# Altium PCB CU-ON-OFF-V2-08-11-18.PcbDoc (part 10 of 14) (continued)
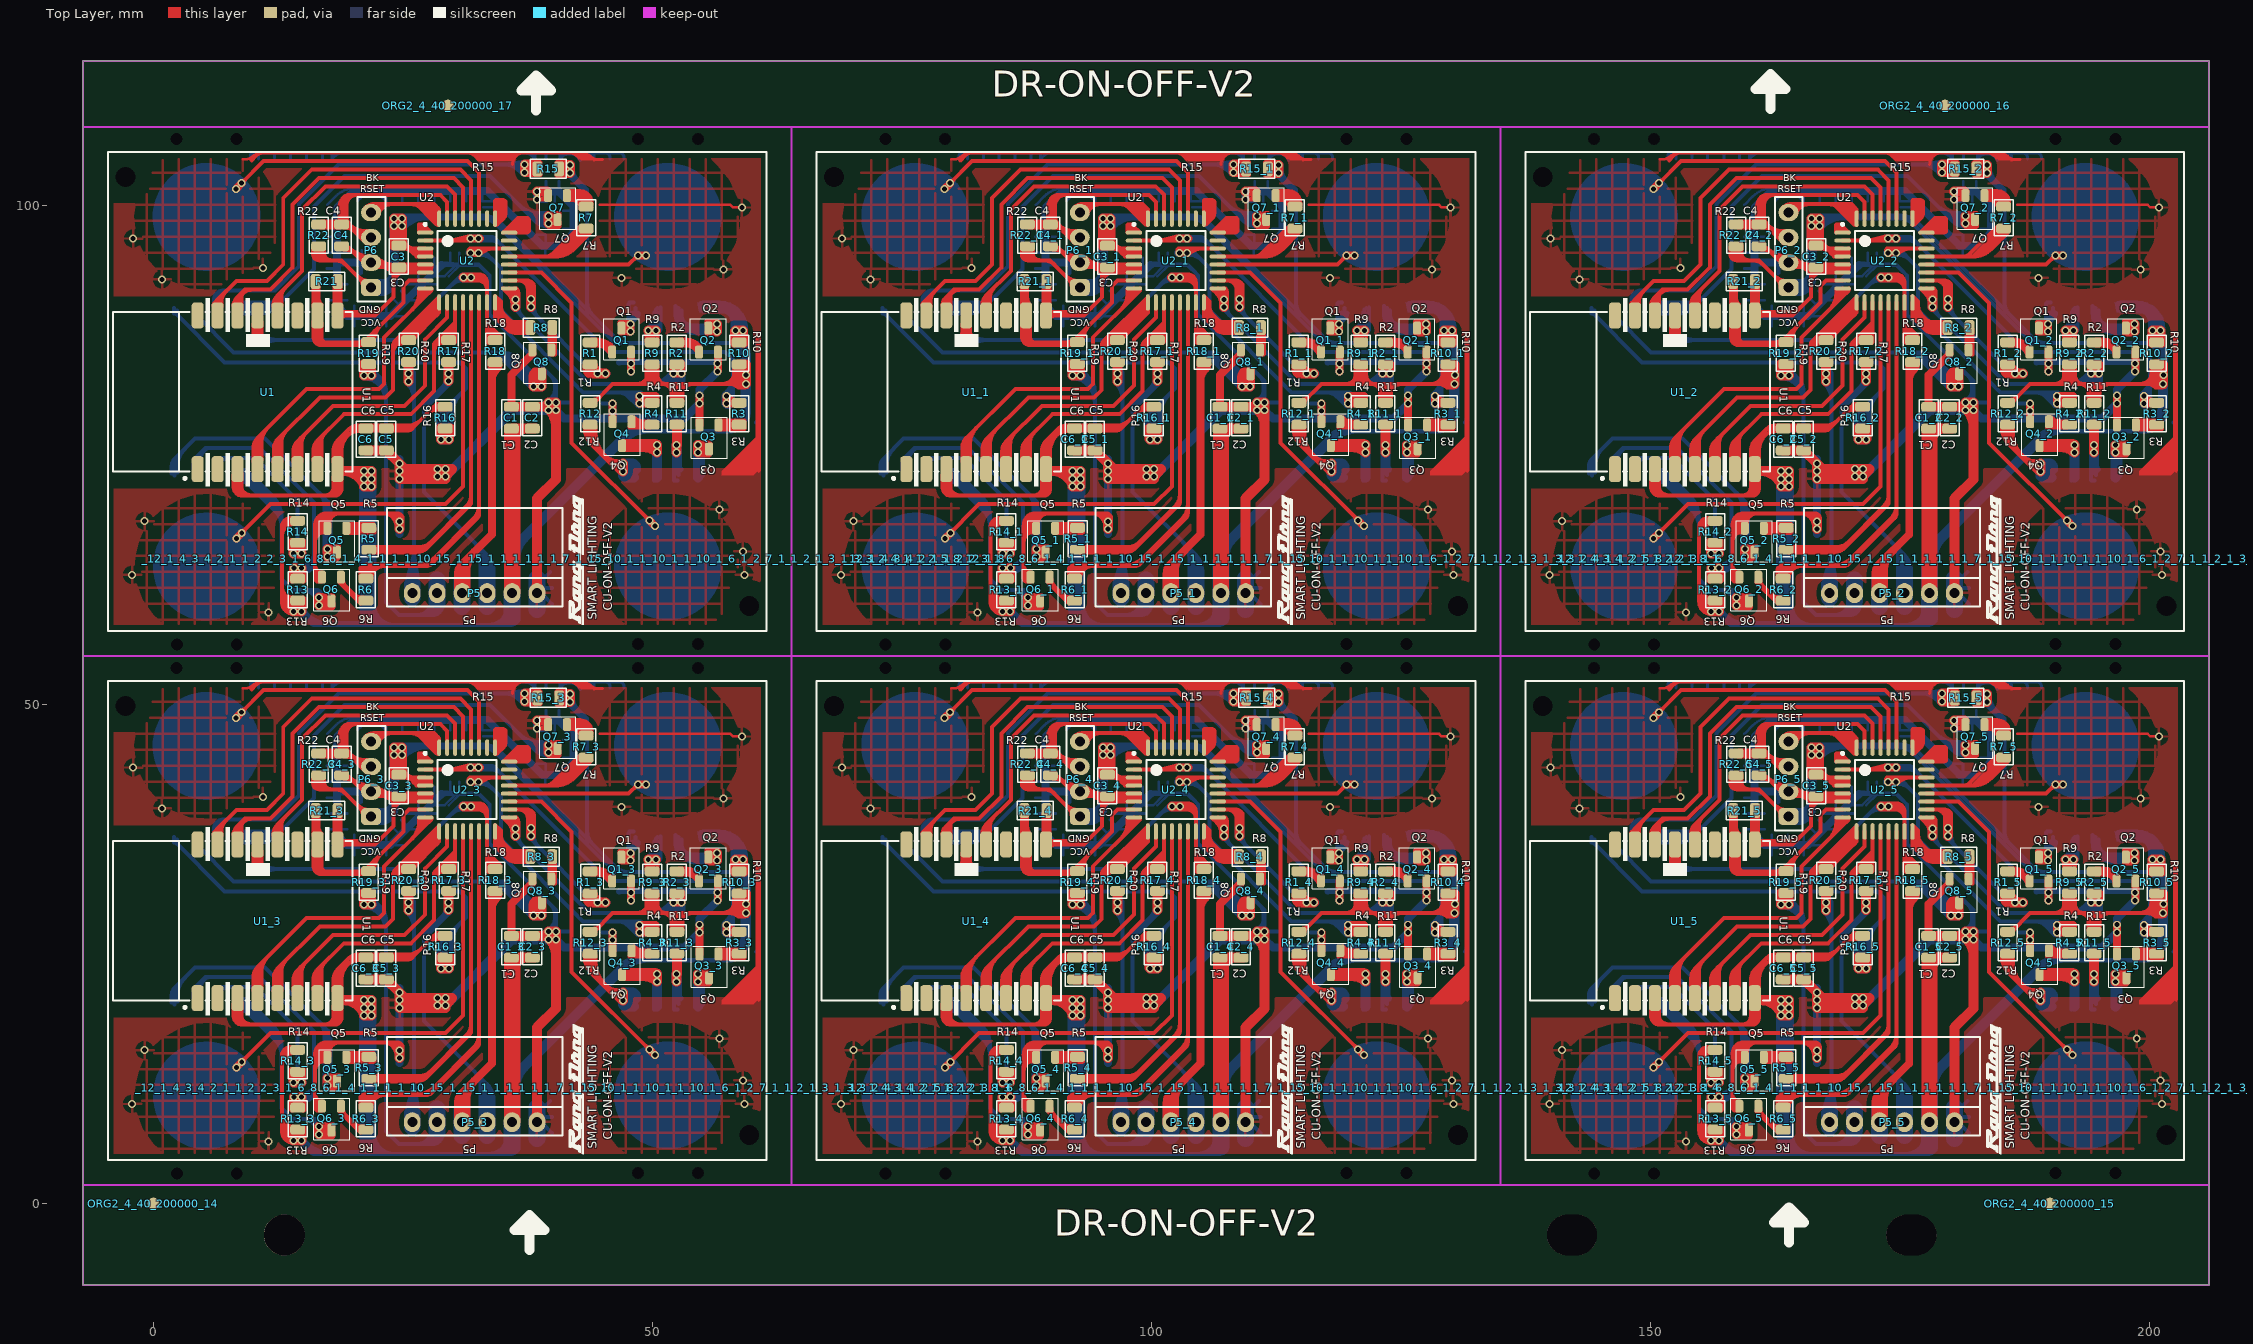
[diagram p0: Top Layer view]
## Nets (pads, with @x,y where several pads share a name; then routed paths per layer and width w, separated by ;. In a path a pad name is that pad's centre, name@x,y a point inside that pad or via, vN(x,y) a via of type N, cw(c..) or ccw(c..) an arc to the next point about the centre after c; other vN are vias at no path point) (continued)
v1@45.149,30.311 ; 45.991,33.757 46.254,33.494 ccw(c46.766,34.006) 46.766,33.282 ; 45.991,86.756 46.254,86.493 ccw(c46.766,87.005) 46.766,86.281 ; 46.566,28.275 cw(c46.566,26.87) 47.559,27.864 v1@48.491,26.932 ; 46.566,81.274 cw(c46.566,79.869) 47.559,80.863 48.491,79.931 ; v1@46.973,20.531 cw(c47.282,19.871) 47.797,20.386 ; 46.991,23.107 47.318,23.434 cw(c49.486,21.266) 49.486,24.332 50.141,24.332 ; 46.991,76.106 47.318,76.433 cw(c49.486,74.265) 49.486,77.331 50.141,77.331 ; v1@47.058,20.925 cw(c47.058,20.442) 47.399,20.784 cw(c47.741,21.125) v1@47.258,21.125 ; v1(47.058,21.125) 48.201,19.982 ; v1@47.142,20.169 cw(c47.538,19.319) 48.201,19.982 ; v1@47.163,21.02 ccw(c48.341,22.198) 48.341,20.532 ; v1@47.241,21.282 47.701,20.822 ccw(c48.341,21.462) 48.341,20.557 ; 47.241,74.281 47.701,73.821 ccw(c48.341,74.461) 48.341,73.556 ; v1@47.251,21.177 ccw(c47.844,21.336) 47.537,20.804 ; 47.339,81.274 48.646,81.274 cw(c48.646,80.786) 48.991,81.131 ; 47.591,28.182 48.592,27.181 ccw(c48.695,27.283) v1(48.695,27.139) ; 47.591,81.181 48.592,80.18 ccw(c48.695,80.282) 48.695,80.137 ; v1@47.616,34.907 47.616,37.016 cw(c47.957,37.016) 47.716,37.257 cw(c47.776,37.197) 47.776,37.282 48.091,37.282 ; 47.616,87.906 47.616,90.015 cw(c47.957,90.015) 47.716,90.256 cw(c47.776,90.196) 47.776,90.281 48.091,90.281 ; v1(47.796,35.125) 48.316,35.645 ; v1@47.796,35.325 ccw(c47.796,35.808) 48.137,35.466 ccw(c48.479,35.125) 47.996,35.125 47.996,35.918 ccw(c47.552,35.918) 47.866,36.232 ; 47.846,20.337 ccw(c48.341,20.832) 48.341,20.132 ; v1(47.858,31.15) 47.971,31.263 56.432,31.263 v1(56.545,31.15) ; 47.866,89.231 cw(c47.552,88.917) 47.996,88.917 47.996,88.124 ; 48.104,36.27 cw(c47.592,35.758) 48.316,35.758 cw(c49.04,35.758) 48.528,36.27 ; 48.141,33.227 47.616,33.227 cw(c47.616,35.207) 46.216,33.807 34.723,45.301 ccw(c33.077,43.655) 33.077,45.982 ; 48.141,86.226 47.616,86.226 cw(c47.616,88.206) 46.216,86.806 34.723,98.299 ccw(c33.077,96.654) 33.077,98.981 ; 48.305,28.275 cw(c48.305,27.524) v1@48.836,28.055 ; 48.316,36.732 48.316,35.645 ; 48.316,88.644 48.413,88.741 ccw(c47.923,89.231) 48.616,89.231 ; 48.341,19.982 48.201,19.982 ; v1@48.553,27.772 ccw(c47.339,26.558) 47.339,28.275 48.646,28.275 cw(c48.646,27.787) v1@48.991,28.132 ; 48.616,36.232 cw(c47.923,36.232) 48.413,35.742 48.316,35.645 ; v1@49.441,34.607 49.605,34.771 ccw(c48.129,36.247) 50.216,36.247 cw(c50.301,36.247) 50.241,36.307 ; 49.441,87.606 49.605,87.77 ccw(c48.129,89.246) 50.216,89.246 cw(c50.301,89.246) 50.241,89.306 ; 49.816,29.125 ccw(c49.816,31.462) 51.469,29.81 52.016,30.357 52.431,30.357 cw(c52.431,30.272) v1@52.491,30.332 ; 49.816,82.124 ccw(c49.816,84.461) 51.469,82.809 52.016,83.356 52.431,83.356 cw(c52.431,83.271) 52.491,83.331 ; v1@49.941,34.632 ccw(c49.337,35.236) 50.191,35.236 50.191,35.507 ; 49.941,87.631 ccw(c49.337,88.235) 50.191,88.235 50.191,88.506 ; v1@50.141,34.282 50.485,34.282 ccw(c50.485,34.538) 50.666,34.357 ccw(c50.364,34.659) 50.791,34.659 50.791,36.757 ; 50.141,87.281 50.485,87.281 ccw(c50.485,87.537) 50.666,87.356 ccw(c50.364,87.658) 50.791,87.658 50.791,89.756 ; 50.166,19.932 50.166,19.492 ccw(c50.251,19.492) 50.191,19.432 ; 50.166,72.931 50.166,72.491 ccw(c50.251,72.491) 50.191,72.431 ; v1@50.217,34.616 ccw(c49.875,34.958) 50.358,34.958 ccw(c50.841,34.958) 50.499,34.616 ccw(c50.278,34.838) 50.591,34.838 50.591,35.907 ; v1@50.317,22.084 cw(c49.775,21.542) 50.541,21.542 ; v1@50.317,22.366 ccw(c49.775,22.908) v1@50.541,22.908 ; v1@50.317,22.859 cw(c49.775,22.317) v1@50.541,22.317 ; 50.329,20.444 ccw(c49.817,20.956) 50.541,20.956 ccw(c51.265,20.956) 50.753,20.444 ; v1(50.358,34.475) 50.358,36.574 50.516,36.732 ; 50.358,35.376 cw(c51.622,35.376) 50.728,36.27 ; v1(50.458,23) 50.541,22.917 50.541,21.369 50.541,19.982 ; 50.499,87.615 ccw(c50.278,87.837) 50.591,87.837 50.591,88.906 ; 50.816,24.332 48.2,24.332 ccw(c48.2,22.198) 46.691,23.707 ; 50.816,77.331 48.2,77.331 ccw(c48.2,75.197) 46.691,76.706 ; 51.095,82.124 52.772,82.124 ccw(c52.772,82.575) 53.091,82.256 ccw(c53.031,82.316) 53.116,82.316 53.116,83.16 ccw(c52.945,83.16) 53.066,83.281 ; v1@51.933,30.163 cw(c51.45,30.163) 51.792,29.822 cw(c52.133,29.48) v1@52.133,29.963 ; v1(52.133,30.163) 51.095,29.125 ; v1@52.141,22.182 52.141,19.517 ccw(c52.226,19.517) 52.166,19.457 ccw(c52.226,19.517) 52.226,19.432 52.491,19.432 ; 52.141,75.181 52.141,72.516 ccw(c52.226,72.516) 52.166,72.456 ccw(c52.226,72.516) 52.226,72.431 52.491,72.431 ; v1@52.191,22.057 cw(c51.889,21.755) 52.316,21.755 52.316,20.613 ccw(c52.572,20.613) 52.391,20.432 ccw(c52.451,20.372) 52.366,20.372 52.366,20.182 ; 52.191,75.056 cw(c51.889,74.754) 52.316,74.754 52.316,73.612 ccw(c52.572,73.612) 52.391,73.431 ccw(c52.451,73.371) 52.366,73.371 52.366,73.181 ; v1@52.292,22.084 cw(c51.508,21.3) 52.616,21.3 ; v1@52.292,22.859 cw(c51.508,22.075) v1@52.616,22.075 ; 52.291,36.932 52.291,36.166 ccw(c54.185,36.166) 52.846,34.827 ; 52.291,89.931 52.291,89.165 ccw(c54.185,89.165) 52.846,87.826 ; v1@52.351,22.407 ccw(c52.167,22.817) v1@52.616,22.817 ; 52.379,36.27 cw(c51.867,35.758) 52.591,35.758 cw(c53.315,35.758) 52.803,36.27 ; 52.404,20.444 ccw(c51.892,20.956) 52.616,20.956 ccw(c53.34,20.956) 52.828,20.444 ; v1(52.433,23) v1@52.616,22.817 ; 52.591,36.732 52.591,35.757 53.998,34.35 ; 52.616,19.982 52.616,21.269 v1@52.616,22.817 ; 52.741,22.507 52.741,20.95 ccw(c53.268,20.95) 52.895,20.578 52.916,20.557 ; 52.741,75.506 52.741,73.949 ccw(c53.268,73.949) 52.895,73.577 52.916,73.556 ; 52.891,36.482 52.891,36.056 ccw(c53.915,36.056) 53.191,35.332 ccw(c54.036,36.177) 54.036,34.982 55.617,34.982 ccw(c55.617,36.006) v1@56.341,35.282 ; 52.891,89.481 52.891,89.055 ccw(c53.915,89.055) 53.191,88.331 ccw(c54.036,89.176) 54.036,87.981 55.617,87.981 ccw(c55.617,89.005) 56.341,88.281 ; v1@53.066,30.282 cw(c52.945,30.161) 53.116,30.161 53.116,29.317 cw(c53.031,29.317) 53.091,29.257 cw(c52.772,29.576) 52.772,29.125 51.095,29.125 ; 53.998,87.349 cw(c53.998,88.979) 52.846,87.826 ; v1@54.316,22.082 cw(c53.833,21.599) 54.516,21.599 54.516,20.613 ccw(c54.772,20.613) 54.591,20.432 ccw(c54.712,20.311) 54.541,20.311 54.541,20.107 ; 54.316,75.081 cw(c53.833,74.598) 54.516,74.598 54.516,73.612 ccw(c54.772,73.612) 54.591,73.431 ccw(c54.712,73.31) 54.541,73.31 54.541,73.106 ; v1@54.442,22.084 cw(c53.538,21.18) 54.816,21.18 ; v1@54.442,22.859 cw(c53.538,21.955) v1@54.816,21.955 ; v1@54.539,22.42 ccw(c54.46,22.767) v1@54.816,22.767 ; v1(54.583,23) v1@54.816,22.767 ; v1@54.591,23.307 54.75,23.307 cw(c54.75,22.966) 54.991,23.207 cw(c54.75,22.966) 55.091,22.966 55.091,19.932 ; 54.591,76.306 54.75,76.306 cw(c54.75,75.965) 54.991,76.206 cw(c54.75,75.965) 55.091,75.965 55.091,72.931 ; 54.604,20.444 ccw(c54.092,20.956) 54.816,20.956 ccw(c55.54,20.956) 55.028,20.444 ; 54.791,36.732 57.541,36.732 58.308,35.965 v1(58.308,34.475) ; 54.816,19.982 v1@54.816,22.767 ; 54.816,37.207 54.935,37.207 ccw(c54.935,37.463) 55.116,37.282 ccw(c55.176,37.342) 55.176,37.257 56.745,37.257 cw(c56.745,34.611) 58.616,36.482 cw(c56.805,34.671) 59.366,34.671 v1@59.366,34.507 ; 54.816,90.206 54.935,90.206 ccw(c54.935,90.462) 55.116,90.281 ccw(c55.176,90.341) 55.176,90.256 56.745,90.256 cw(c56.745,87.61) 58.616,89.481 cw(c56.805,87.67) 59.366,87.67 59.366,87.506 ; 55.003,36.52 cw(c55.515,36.008) 55.515,36.732 cw(c55.515,37.456) 55.003,36.944 ; 55.091,36.382 57.123,36.382 cw(c57.123,35.614) 57.666,36.157 cw(c56.761,35.252) 58.041,35.252 v1@58.041,34.532 ; 55.091,89.381 57.123,89.381 cw(c57.123,88.613) 57.666,89.156 cw(c56.761,88.251) 58.041,88.251 58.041,87.531 ; v1@56.342,34.209 ccw(c56,33.867) 56,34.35 ccw(c56,34.833) v1@56.342,34.491 ; v1@56.466,34.182 54.404,34.182 cw(c54.404,36.385) 52.846,34.827 ; 56.466,87.181 54.404,87.181 cw(c54.404,89.384) 52.846,87.826 ; v1(56.483,34.35) 53.998,34.35 ; v1@57.191,28.107 57.451,28.367 ccw(c55.987,29.832) 58.058,29.832 ; 57.191,81.106 57.451,81.366 ccw(c55.987,82.831) 58.058,82.831 ; v1@57.416,26.832 57.6,26.832 ccw(c57.6,27.173) 57.841,26.932 ccw(c57.317,27.456) 58.058,27.456 58.058,30.757 ; 57.416,79.831 57.6,79.831 ccw(c57.6,80.172) 57.841,79.931 ccw(c57.317,80.455) 58.058,80.455 58.058,83.756 ; v1(57.42,27.914) 58.058,28.552 58.058,31.55 57.281,32.327 45.596,32.327 34.248,43.675 ; v1@57.42,28.114 ccw(c57.42,28.596) 57.761,28.255 ccw(c58.102,27.914) v1@57.62,27.914 ; 57.491,33.227 cw(c57.491,32.008) 58.353,32.87 58.645,32.578 cw(c57.749,31.682) 59.016,31.682 59.016,26.752 cw(c57.821,26.752) 58.666,25.907 57.639,24.88 cw(c56.316,26.203) 56.316,24.332 57.721,24.332 ccw(c57.721,25.527) 58.566,24.682 58.941,25.057 ; 57.491,86.226 cw(c57.491,85.007) 58.353,85.869 58.645,85.577 cw(c57.749,84.681) 59.016,84.681 59.016,79.751 cw(c57.821,79.751) 58.666,78.906 57.639,77.879 cw(c56.316,79.202) 56.316,77.331 57.721,77.331 ccw(c57.721,78.526) 58.566,77.681 58.941,78.056 ; 58.091,25.332 58.064,25.305 cw(c55.896,27.473) 55.896,24.407 47.841,24.407 ccw(c47.841,23.321) 47.073,24.089 46.691,23.707 ; 58.091,78.331 58.064,78.304 cw(c55.896,80.472) 55.896,77.406 47.841,77.406 ccw(c47.841,76.32) 47.073,77.088 46.691,76.706 ; v1@58.167,34.616 ccw(c57.825,34.958) 58.308,34.958 ccw(c58.791,34.958) v1@58.449,34.616 ; 58.527,33.227 58.231,33.227 ; 58.527,86.226 58.231,86.226 ; v1@59.218,28.957 cw(c58.879,28.613) 59.362,28.617 cw(c59.845,28.621) v1@59.501,28.96 ; v1@59.22,29.245 ccw(c58.888,29.596) 59.371,29.583 ccw(c59.854,29.57) v1@59.503,29.238 ; v1@59.238,29.887 cw(c58.887,29.555) 59.37,29.542 cw(c59.853,29.529) v1@59.521,29.88 ; v1@59.242,30.166 ccw(c58.9,30.508) 59.383,30.508 ccw(c59.866,30.508) v1@59.524,30.166 ; 59.358,82.099 59.358,85.282 58.414,86.226 58.231,86.226 ; 59.383,79.123 cw(c57.874,79.123) 58.941,78.056 ; 59.45,31.481 ccw(c57.567,31.481) 58.898,32.813 58.663,33.048 ccw(c58.231,32.616) 58.231,33.227 ; 59.45,84.48 ccw(c57.567,84.48) 58.898,85.812 58.663,86.047 ccw(c58.231,85.615) 58.231,86.226 ; 60.31,33.351 cw(c59.634,32.675) 60.59,32.675 60.59,26.301 60.59,25.69 cw(c59.941,25.69) 60.4,25.231 ; 60.31,86.35 cw(c59.634,85.674) 60.59,85.674 60.59,79.3 60.59,78.689 cw(c59.941,78.689) 60.4,78.23 ; 60.63,25.541 ccw(c60.606,25.565) 60.64,25.565 60.64,32.671 ; 60.63,32.811 60.63,32.695 ccw(c60.664,32.695) 60.64,32.671 ; 60.63,33.181 cw(c60.606,33.157) 60.64,33.157 60.64,32.671 ; 60.63,78.54 ccw(c60.606,78.564) 60.64,78.564 60.64,85.67 ; 60.63,85.81 60.63,85.694 ccw(c60.664,85.694) 60.64,85.67 ; 60.63,86.18 cw(c60.606,86.156) 60.64,86.156 60.64,85.67 ; 72.841,20.157 72.841,20.883 cw(c73.865,20.883) 73.141,21.607 ; 72.841,73.156 72.841,73.882 cw(c73.865,73.882) 73.141,74.606 ; 72.929,20.419 ccw(c72.417,20.931) 73.141,20.931 ccw(c73.865,20.931) 73.353,20.419 ; 72.929,73.418 ccw(c72.417,73.93) 73.141,73.93 ccw(c73.865,73.93) 73.353,73.418 ; 73.066,36.182 cw(c73.066,35.76) 73.365,36.058 ; 73.066,36.732 73.066,36.357 78.141,31.282 101.741,31.282 102.341,30.682 102.341,28.657 99.87,26.186 ; 73.066,89.181 cw(c73.066,88.759) 73.365,89.057 ; 73.066,89.731 73.066,89.356 78.141,84.281 101.741,84.281 102.341,83.681 102.341,81.656 99.87,79.185 ; 73.141,19.957 73.141,21.607 ; 73.141,72.956 73.141,74.606 ; 73.366,36.482 ccw(c74.392,36.482) 73.667,35.756 ; 73.366,89.481 ccw(c74.392,89.481) 73.667,88.755 ; 73.441,20.232 73.441,20.899 cw(c75.874,20.899) 74.153,22.62 ; 73.441,73.231 73.441,73.898 cw(c75.874,73.898) 74.153,75.619 ; 75.166,36.482 ccw(c75.951,36.482) 75.396,35.927 ; 75.166,89.481 ccw(c75.951,89.481) 75.396,88.926 ; 75.266,36.732 75.266,36.057 79.041,32.282 105.741,32.282 ; 75.266,89.731 75.266,89.056 79.041,85.281 105.741,85.281 ; 75.341,19.957 75.341,21.807 ; 75.341,72.956 75.341,74.806 ; 75.553,20.419 cw(c76.065,20.931) 75.341,20.931 cw(c74.617,20.931) 75.129,20.419 cw(c75.341,20.631) 75.041,20.631 75.041,21.083 cw(c76.065,21.083) 75.341,21.807 ; 75.553,73.418 cw(c76.065,73.93) 75.341,73.93 cw(c74.617,73.93) 75.129,73.418 cw(c75.341,73.63) 75.041,73.63 75.041,74.082 cw(c76.065,74.082) 75.341,74.806 ; 75.566,36.482 ccw(c77.316,36.482) 76.079,35.244 ; 75.566,89.481 ccw(c77.316,89.481) 76.079,88.243 ; 75.641,19.832 75.641,21.232 cw(c77.452,21.232) 76.171,22.513 cw(c76.641,22.043) 76.641,22.707 ; 75.641,72.831 75.641,74.231 cw(c77.452,74.231) 76.171,75.512 cw(c76.641,75.042) 76.641,75.706 ; 77.066,36.857 77.066,37.518 cw(c78.005,37.518) 77.341,38.182 cw(c78.065,37.458) 78.065,38.482 78.091,38.482 ; 77.066,89.856 77.066,90.517 cw(c78.005,90.517) 77.341,91.181 cw(c78.065,90.457) 78.065,91.481 78.091,91.481 ; 77.141,20.407 77.141,20.762 cw(c78.336,20.762) 77.491,21.607 cw(c77.732,21.366) 77.732,21.707 78.891,21.707 78.741,21.707 ; 77.141,73.406 77.141,73.761 cw(c78.336,73.761) 77.491,74.606 cw(c77.732,74.365) 77.732,74.706 78.891,74.706 78.741,74.706 ; 77.154,37.194 ccw(c76.642,37.706) 77.366,37.706 ccw(c78.09,37.706) 77.578,37.194 ; 77.154,90.193 ccw(c76.642,90.705) 77.366,90.705 ccw(c78.09,90.705) 77.578,90.193 ; 77.229,20.419 ccw(c76.717,20.931) 77.441,20.931 ccw(c78.165,20.931) 77.653,20.419 ; 77.229,73.418 ccw(c76.717,73.93) 77.441,73.93 ccw(c78.165,73.93) 77.653,73.418 ; 77.366,36.732 77.366,37.757 78.091,38.482 ; 77.366,89.731 77.366,90.756 78.091,91.481 ; 77.441,19.957 77.441,21.232 77.916,21.707 81.216,21.707 85.466,17.457 85.466,12.503 v1(85.833,12.137) ; 77.441,72.956 77.441,74.231 77.916,74.706 81.216,74.706 85.466,70.456 85.466,65.502 v1(85.833,65.136) ; 77.666,37.032 77.666,37.533 cw(c78.69,37.533) 77.966,38.257 cw(c78.509,37.714) 78.509,38.482 78.841,38.482 ; 77.666,90.031 77.666,90.532 cw(c78.69,90.532) 77.966,91.256 cw(c78.509,90.713) 78.509,91.481 78.841,91.481 ; 77.741,19.782 77.741,21.13 cw(c78.168,21.13) 77.866,21.432 cw(c78.53,20.768) 78.53,21.707 79.216,21.707 ; 77.741,72.781 77.741,74.129 cw(c78.168,74.129) 77.866,74.431 cw(c78.53,73.767) 78.53,74.706 79.216,74.706 ; 79.516,37.107 ccw(c79.757,37.348) 79.757,37.007 83.291,37.007 ; 79.516,90.106 ccw(c79.757,90.347) 79.757,90.006 83.291,90.006 ; 79.566,36.732 83.191,36.732 87.091,40.632 87.091,46.907 90.141,49.957 104.741,49.957 108.75,45.948 ; 79.566,89.731 83.191,89.731 87.091,93.631 87.091,99.906 90.141,102.956 104.741,102.956 108.75,98.947 ; 79.641,19.407 cw(c79.641,18.079) 80.58,19.018 ; 79.641,19.957 83.841,15.757 83.841,9.582 84.941,8.482 86.837,8.482 ; 79.641,72.406 cw(c79.641,71.078) 80.58,72.017 ; 79.641,72.956 83.841,68.756 83.841,62.581 84.941,61.481 86.837,61.481 ; 79.741,37.282 83.387,37.282 ccw(c83.387,38.136) 83.991,37.532 83.28,36.821 ; 79.741,90.281 83.387,90.281 ccw(c83.387,91.135) 83.991,90.531 83.28,89.82 ; 79.778,36.52 cw(c80.29,36.008) 80.29,36.732 cw(c80.29,37.456) 79.778,36.944 ; 79.778,89.519 cw(c80.29,89.007) 80.29,89.731 cw(c80.29,90.455) 79.778,89.943 ; 79.966,20.507 cw(c79.966,19.662) 80.563,20.26 82.943,17.88 cw(c80.775,15.712) 83.841,15.712 83.841,14.082 ; 79.966,73.506 cw(c79.966,72.661) 80.563,73.259 82.943,70.879 cw(c80.775,68.711) 83.841,68.711 83.841,67.081 ; v1@81.666,33.507 95.366,33.507 101.641,39.782 v1(102.066,39.782) ; v1@81.666,86.506 95.366,86.506 101.641,92.781 v1(102.066,92.781) ; v1@81.891,33.782 83.391,33.507 v1@81.991,33.257 ; v1@81.891,86.781 83.391,86.506 v1@81.991,86.256 ; v1@81.957,33.366 cw(c82.299,33.024) 82.299,33.507 cw(c82.299,33.99) v1@81.957,33.648 ; v1@81.957,86.365 cw(c82.299,86.023) 82.299,86.506 cw(c82.299,86.989) v1@81.957,86.647 ; 82.941,16.657 83.187,16.411 cw(c81.608,14.832) 83.841,14.832 ; 82.941,69.656 83.187,69.41 cw(c81.608,67.831) 83.841,67.831 ; v1@84.916,12.278 ccw(c83.59,13.605) 85.466,13.605 ; v1@84.916,12.407 ccw(c83.588,13.735) 85.466,13.735 85.466,14.257 85.466,13.781 ccw(c87.514,13.781) v1@86.066,12.332 ; v1@84.916,65.277 ccw(c83.59,66.604) 85.466,66.604 ; v1@84.916,65.406 ccw(c83.588,66.734) 85.466,66.734 85.466,67.256 85.466,66.78 ccw(c87.514,66.78) v1@86.066,65.331 ; v1@85.199,11.995 ccw(c84.556,12.639) 85.466,12.639 ; v1@85.199,64.994 ccw(c84.556,65.638) 85.466,65.638 ; 85.466,12.54 ccw(c86.236,12.54) v1@85.691,11.995 ; 85.466,13.505 ccw(c87.202,13.505) v1@85.974,12.278 ; 85.466,65.539 ccw(c86.236,65.539) v1@85.691,64.994 ; 85.466,66.504 ccw(c87.202,66.504) v1@85.974,65.277 ; 85.541,10.357 86.343,10.357 ccw(c86.343,10.955) 86.766,10.532 ccw(c85.921,11.377) 87.116,11.377 87.116,11.382 ; 85.541,63.356 86.343,63.356 ccw(c86.343,63.953) 86.766,63.531 ccw(c85.921,64.376) 87.116,64.376 87.116,64.381 ; v1@85.833,6.137 cw(c85.833,5.654) 86.174,5.995 cw(c86.516,6.337) v1@86.033,6.337 ; v1(85.833,6.337) 87.216,4.953 ; v1@85.833,59.136 cw(c85.833,58.653) 86.174,58.994 cw(c86.516,59.336) v1@86.033,59.336 ; v1(85.833,59.336) 87.216,57.952 ; v1@85.857,10.464 ccw(c85.86,11.278) 86.436,10.702 ; v1@85.857,63.463 ccw(c85.86,64.277) 86.436,63.701 ; v1(85.858,10.664) 86.397,10.664 87.116,11.382 ; v1@85.859,10.864 ccw(c85.864,12.634) 87.116,11.382 ; v1(85.858,63.662) 86.397,63.662 87.116,64.381 ; v1@85.859,63.862 ccw(c85.864,65.633) 87.116,64.381 ; v1@85.866,10.957 85.876,10.957 ccw(c85.876,12.261) 86.798,11.339 ccw(c86.03,12.107) 87.116,12.107 ; v1@85.866,63.956 85.876,63.956 ccw(c85.876,65.26) 86.798,64.338 ccw(c86.03,65.106) 87.116,65.106 ; 85.889,8.482 85.894,8.482 cw(c85.894,6.86) 87.041,8.007 cw(c86.377,7.343) 87.316,7.343 v1@87.316,6.907 ; 85.889,61.481 85.894,61.481 cw(c85.894,59.859) 87.041,61.006 cw(c86.377,60.342) 87.316,60.342 v1@87.316,59.906 ; v1@85.999,10.522 cw(c86.341,10.181) 86.341,10.664 cw(c86.341,11.146) v1@85.999,10.805 ; v1@85.999,63.521 cw(c86.341,63.18) 86.341,63.662 cw(c86.341,64.145) v1@85.999,63.804 ; 86.591,5.578 ccw(c85.435,4.423) 85.435,6.057 85.341,6.057 cw(c85.341,4.79) 86.237,5.686 86.795,5.128 ccw(c87.216,5.548) 87.216,4.953 ; 86.591,58.577 ccw(c85.435,57.422) 85.435,59.056 85.341,59.056 cw(c85.341,57.789) 86.237,58.685 86.795,58.127 ccw(c87.216,58.547) 87.216,57.952 ; v1@87.419,7.7 ccw(c86.937,7.7) 87.278,8.041 ccw(c87.619,8.383) 87.619,7.9 ccw(c87.062,7.9) 87.456,8.294 87.268,8.482 ; v1@87.419,60.699 ccw(c86.937,60.699) 87.278,61.04 ccw(c87.619,61.382) 87.619,60.899 ccw(c87.062,60.899) 87.456,61.293 87.268,61.481 ; v1(87.619,7.7) 86.837,8.482 ; v1(87.619,60.699) 86.837,61.481 ; 87.641,18.182 cw(c86.373,16.915) 88.166,16.915 88.166,12.307 ; 87.641,71.181 cw(c86.373,69.914) 88.166,69.914 88.166,65.306 ; v1@87.916,7.707 87.916,7.764 ccw(c87.148,7.764) 87.691,8.307 ccw(c87.268,7.885) 87.268,8.482 ; v1@87.916,60.706 87.916,60.763 ccw(c87.148,60.763) 87.691,61.306 ccw(c87.268,60.884) 87.268,61.481 ; v1@88.329,12.741 ccw(c87.987,13.083) 88.47,13.083 ccw(c88.953,13.083) v1@88.611,12.741 ; v1@88.329,65.74 ccw(c87.987,66.082) 88.47,66.082 ccw(c88.953,66.082) v1@88.611,65.74 ; v1@88.47,12.475 88.47,17.353 ; v1@88.47,65.474 88.47,70.352 ; 88.766,12.282 88.766,16.638 ccw(c87.755,16.638) 88.47,17.353 ; 88.766,65.281 88.766,69.637 ccw(c87.755,69.637) 88.47,70.352 ; 89.216,4.953 88.167,4.953 cw(c88.167,6.758) 86.891,5.482 86.24,6.133 cw(c86.538,6.432) 86.116,6.432 ccw(c86.237,6.432) 86.151,6.347 86.566,5.932 ccw(c88.437,7.803) 88.437,5.157 92.891,5.157 ; 89.216,57.952 88.167,57.952 cw(c88.167,59.757) 86.891,58.481 86.24,59.132 cw(c86.538,59.431) 86.116,59.431 ccw(c86.237,59.431) 86.151,59.346 86.566,58.931 ccw(c88.437,60.802) 88.437,58.156 92.891,58.156 ; v1@91.791,19.057 91.791,6.906 ccw(c93.839,6.906) 92.391,5.457 ccw(c93.607,6.673) 93.607,4.953 95.366,4.953 ; v1@91.791,72.056 91.791,59.905 ccw(c93.839,59.905) 92.391,58.456 ccw(c93.607,59.672) 93.607,57.952 95.366,57.952 ; v1@92.141,29.682 cw(c92.141,27.751) 93.507,29.116 93.566,29.057 cw(c91.755,27.246) 94.316,27.246 94.316,26.932 ; v1@92.141,82.681 cw(c92.141,80.75) 93.507,82.115 93.566,82.056 cw(c91.755,80.245) 94.316,80.245 94.316,79.931 ; v1@92.725,18.691 cw(c92.383,18.349) 92.866,18.349 cw(c93.349,18.349) v1@93.007,18.691 ; v1@92.725,71.69 cw(c92.383,71.348) 92.866,71.348 cw(c93.349,71.348) v1@93.007,71.69 ; 92.816,38.782 94.666,38.782 95.133,39.249 v1(95.133,44.925) ; 92.816,91.781 94.666,91.781 95.133,92.248 v1(95.133,97.924) ; v1(92.866,18.832) 92.866,6.253 94.166,4.953 ; v1(92.866,71.831) 92.866,59.252 94.166,57.952 ; v1@92.928,29.795 94.316,28.407 ; v1@92.928,82.794 94.316,81.406 ; v1@92.941,30.282 cw(c92.941,29.678) 93.368,30.105 93.786,29.687 cw(c92.505,28.407) 94.316,28.407 ; v1@92.941,83.281 cw(c92.941,82.677) 93.368,83.104 93.786,82.686 cw(c92.505,81.406) 94.316,81.406 ; 93.166,19.157 93.166,6.849 ccw(c94.958,6.849) 93.691,5.582 ccw(c95.209,7.1) 95.209,4.953 96.766,4.953 ; 93.166,72.156 93.166,59.848 ccw(c94.958,59.848) 93.691,58.581 ccw(c95.209,60.099) 95.209,57.952 96.766,57.952 ; 93.296,29.427 cw(c93.851,29.982) 93.066,29.982 93.939,29.109 cw(c93.512,28.682) 94.116,28.682 ; 93.296,82.426 cw(c93.851,82.981) 93.066,82.981 93.939,82.108 cw(c93.512,81.681) 94.116,81.681 ; 93.426,38.322 cw(c94.535,37.213) 94.535,38.782 cw(c94.535,40.351) 93.426,39.242 ; 93.426,91.321 cw(c94.535,90.212) 94.535,91.781 cw(c94.535,93.35) 93.426,92.241 ; v1@94.992,44.784 cw(c94.65,44.442) 95.133,44.442 cw(c95.616,44.442) v1@95.274,44.784 ; v1@94.992,97.783 cw(c94.65,97.441) 95.133,97.441 cw(c95.616,97.441) v1@95.274,97.783 ; v1@95.274,45.559 cw(c95.616,45.217) 95.616,45.7 cw(c95.616,46.183) v1@95.274,45.841 ; v1@95.274,98.558 cw(c95.616,98.216) 95.616,98.699 cw(c95.616,99.182) v1@95.274,98.84 ; v1@95.276,45.56 cw(c95.608,45.236) v1@95.608,45.7 ; v1@95.276,45.84 ccw(c95.608,46.164) v1@95.608,45.7 ; v1@95.276,98.559 cw(c95.608,98.235) v1@95.608,98.699 ; v1@95.276,98.839 ccw(c95.608,99.163) v1@95.608,98.699 ; 95.441,42.982 cw(c97.976,42.982) 96.183,44.774 96.211,44.802 cw(c98.379,42.634) 98.379,45.7 98.641,45.7 ; 95.441,95.981 cw(c97.976,95.981) 96.183,97.773 96.211,97.801 cw(c98.379,95.633) 98.379,98.699 98.641,98.699 ; 95.616,45.982 104.077,45.982 ; 95.616,98.981 104.077,98.981 ; 96.041,45.307 96.067,45.307 ccw(c96.067,46.649) 97.016,45.7 96.406,45.09 cw(c96.266,45.23) v1@96.266,45.032 ; 96.041,98.306 96.067,98.306 ccw(c96.067,99.648) 97.016,98.699 96.406,98.089 cw(c96.266,98.229) v1@96.266,98.031 ; v1@96.049,45.559 cw(c96.391,45.217) 96.391,45.7 cw(c96.391,46.183) v1@96.049,45.841 ; v1@96.049,98.558 cw(c96.391,98.216) 96.391,98.699 cw(c96.391,99.182) v1@96.049,98.84 ; 96.316,8.507 97.116,11.032 97.566,8.507 ; 96.316,61.506 97.116,64.031 97.566,61.506 ; 96.341,9.232 97.116,12.007 97.591,9.157 ; 96.341,62.231 97.116,65.006 97.591,62.156 ; v1@96.391,30.007 96.391,29.232 cw(c94.641,27.482) 97.116,27.482 97.116,27.407 97.116,30.186 ccw(c96.945,30.186) 97.066,30.307 ccw(c96.945,30.186) 96.945,30.357 v1@96.566,30.357 ; v1@96.391,83.006 96.391,82.231 cw(c94.641,80.481) 97.116,80.481 97.116,80.406 97.116,83.185 ccw(c96.945,83.185) 97.066,83.306 ccw(c96.945,83.185) 96.945,83.356 v1@96.566,83.356 ; v1@96.437,29.523 ccw(c96.096,29.865) 96.578,29.865 ccw(c97.061,29.865) v1@96.72,29.523 ; v1@96.437,30.016 cw(c96.096,29.674) 96.578,29.674 cw(c97.061,29.674) v1@96.72,30.016 ; v1@96.437,82.522 ccw(c96.096,82.864) 96.578,82.864 ccw(c97.061,82.864) v1@96.72,82.522 ; v1@96.437,83.015 cw(c96.096,82.673) 96.578,82.673 cw(c97.061,82.673) v1@96.72,83.015 ; v1@96.461,29.995 cw(c96.326,29.809) v1@96.548,29.75 ; v1@96.461,82.994 cw(c96.326,82.808) v1@96.548,82.749 ; 96.481,8.767 ccw(c94.949,10.299) 97.116,10.299 ; 96.481,61.766 ccw(c94.949,63.298) 97.116,63.298 ; v1@96.578,29.182 cw(c96.578,28.699) 96.92,29.041 cw(c97.261,29.382) v1@96.778,29.382 ; v1(96.578,30.157) v1(96.578,29.382) 97.116,28.844 97.116,8.332 ; v1@96.578,82.181 cw(c96.578,81.698) 96.92,82.04 cw(c97.261,82.381) v1@96.778,82.381 ; v1(96.578,83.156) v1(96.578,82.381) 97.116,81.843 97.116,61.331 ; v1@96.609,29.75 cw(c96.831,29.809) v1@96.696,29.995 ; v1@96.609,82.749 cw(c96.831,82.808) v1@96.696,82.994 ; 96.764,8.484 ccw(c95.915,9.333) 97.116,9.333 ; 96.764,61.483 ccw(c95.915,62.332) 97.116,62.332 ; 97.116,9.454 ccw(c98.088,9.454) 97.401,8.767 ; 97.116,62.453 ccw(c98.088,62.453) 97.401,61.766 ; 97.416,5.957 ccw(c97.416,7.466) 98.483,6.399 ccw(c97.739,7.143) 98.791,7.143 98.791,8.132 ; 97.416,58.956 ccw(c97.416,60.465) 98.483,59.398 ccw(c97.739,60.142) 98.791,60.142 98.791,61.131 ; 98.116,25.932 cw(c99.564,25.932) 98.54,26.956 100.579,28.995 ccw(c100.067,29.507) v1@100.791,29.507 ; 98.116,78.931 cw(c99.564,78.931) 98.54,79.955 100.579,81.994 ccw(c100.067,82.506) v1@100.791,82.506 ; 99.106,7.45 cw(c98.749,6.857) 99.441,6.857 ; 99.106,60.449 cw(c98.749,59.856) 99.441,59.856 ; 99.441,8.157 99.441,6.857 ; 99.441,61.156 99.441,59.856 ; v1@99.541,23.507 99.541,25.391 cw(c100.665,25.391) 99.87,26.186 ; v1@99.541,76.506 99.541,78.39 cw(c100.665,78.39) 99.87,79.185 ; v1@99.632,19.691 cw(c99.974,19.349) 99.974,19.832 cw(c99.974,20.315) v1@99.632,19.973 ; v1@99.632,72.69 cw(c99.974,72.348) 99.974,72.831 cw(c99.974,73.314) v1@99.632,72.972 ; v1@99.653,19.714 cw(c99.839,19.579) v1@99.898,19.801 ; v1@99.653,19.95 ccw(c99.839,20.085) v1@99.898,19.863 ; v1@99.653,72.713 cw(c99.839,72.578) v1@99.898,72.8 ; v1@99.653,72.949 ccw(c99.839,73.084) v1@99.898,72.862 ; v1@99.691,23.703 ccw(c99.259,24.135) 99.87,24.135 ; v1@99.691,76.702 ccw(c99.259,77.134) 99.87,77.134 ; 99.776,7.45 ccw(c100.133,6.857) 99.441,6.857 ; 99.776,60.449 ccw(c100.133,59.856) 99.441,59.856 ; v1@99.87,23.524 99.87,26.186 ; 99.87,26.157 99.87,26.186 ; v1@99.87,76.523 99.87,79.185 ; 99.87,79.156 99.87,79.185 ; 99.891,41.057 103.616,41.057 ; 99.891,94.056 103.616,94.056 ; 99.916,40.807 cw(c100.519,40.203) 100.519,41.057 103.616,41.057 ; 99.916,93.806 cw(c100.519,93.202) 100.519,94.056 103.616,94.056 ; 100.066,8.082 100.066,7.258 cw(c98.615,7.258) 99.641,6.232 cw(c98.977,6.896) 98.977,5.957 98.541,5.957 ; 100.066,61.081 100.066,60.257 cw(c98.615,60.257) 99.641,59.231 cw(c98.977,59.895) 98.977,58.956 98.541,58.956 ; v1@100.125,19.691 ccw(c99.783,19.349) 99.783,19.832 ccw(c99.783,20.315) 100.125,19.973 ccw(c99.783,20.315) 100.266,20.315 ccw(c100.749,20.315) v1@100.407,19.973 ; v1@100.125,20.466 cw(c99.783,20.124) 100.266,20.124 cw(c100.749,20.124) v1@100.407,20.466 ; v1@100.125,72.69 ccw(c99.783,72.348) 99.783,72.831 ccw(c99.783,73.314) 100.125,72.972 ccw(c99.783,73.314) 100.266,73.314 ccw(c100.749,73.314) v1@100.407,72.972 ; v1@100.125,73.465 cw(c99.783,73.123) 100.266,73.123 cw(c100.749,73.123) v1@100.407,73.465 ; v1@100.148,20.445 cw(c100.013,20.259) v1@100.235,20.2 ; v1@100.148,73.444 cw(c100.013,73.258) v1@100.235,73.199 ; v1(100.266,19.832) 100.941,20.607 ; v1(100.266,72.831) 100.941,73.606 ; v1@100.297,20.2 cw(c100.519,20.259) v1@100.384,20.445 ; v1@100.297,73.199 cw(c100.519,73.258) v1@100.384,73.444 ; v1@100.391,29.407 cw(c99.908,29.407) 100.25,29.066 ; v1@100.391,29.907 cw(c98.701,29.907) 99.896,28.712 99.466,28.282 100.25,29.066 ; v1@100.391,82.406 cw(c99.908,82.406) 100.25,82.065 ; v1@100.391,82.906 cw(c98.701,82.906) 99.896,81.711 99.466,81.281 100.25,82.065 ; v1@100.45,29.548 ccw(c100.108,29.89) 100.591,29.89 ccw(c101.074,29.89) v1@100.732,29.548 ; v1@100.45,30.041 cw(c100.108,29.699) 100.591,29.699 cw(c101.074,29.699) v1@100.732,30.041 ; v1@100.45,82.547 ccw(c100.108,82.889) 100.591,82.889 ccw(c101.074,82.889) v1@100.732,82.547 ; v1@100.45,83.04 cw(c100.108,82.698) 100.591,82.698 cw(c101.074,82.698) v1@100.732,83.04 ; v1@100.473,29.569 ccw(c100.338,29.755) v1@100.56,29.814 ; v1@100.473,82.568 ccw(c100.338,82.754) v1@100.56,82.813 ; v1(100.591,30.182) v1(100.591,29.407) 98.116,26.932 98.116,18.282 104.441,11.957 ; v1(100.591,83.181) v1(100.591,82.406) 98.116,79.931 98.116,71.281 104.441,64.956 ; v1@100.622,29.814 ccw(c100.844,29.755) v1@100.709,29.569 ; v1@100.622,82.813 ccw(c100.844,82.754) v1@100.709,82.568 ; v1@100.891,23.557 100.891,25.937 cw(c103.957,25.937) 101.789,28.105 101.841,28.157 ; v1@100.891,76.556 100.891,78.936 cw(c103.957,78.936) 101.789,81.104 101.841,81.156 ; 100.966,41.057 99.941,41.257 102.266,41.057 ; 100.966,94.056 99.941,94.256 102.266,94.056 ; 101.691,41.057 cw(c101.751,40.997) 101.751,41.082 103.516,41.082 cw(c103.516,40.901) 103.644,41.029 104.141,40.532 104.666,40.007 ; 101.691,94.056 cw(c101.751,93.996) 101.751,94.081 103.516,94.081 cw(c103.516,93.9) 103.644,94.028 104.141,93.531 104.666,93.006 ; v1@102.016,40.082 ccw(c102.016,39.901) 101.888,40.029 100.916,39.057 cw(c101.942,38.031) 101.942,39.482 v1@102.241,39.482